# Altium PCB CORTEXM4.PcbDoc (part 2 of 2)
Units mm, origin at the board's own origin, x right, y up, seen from the top; angles counter-clockwise.
Board outline 93 x 93 mm, 4 copper layers (Top Layer, Internal Plane 1, Internal Plane 2, Bottom Layer); 157 components, 157 nets, 633 pads, 154 vias.
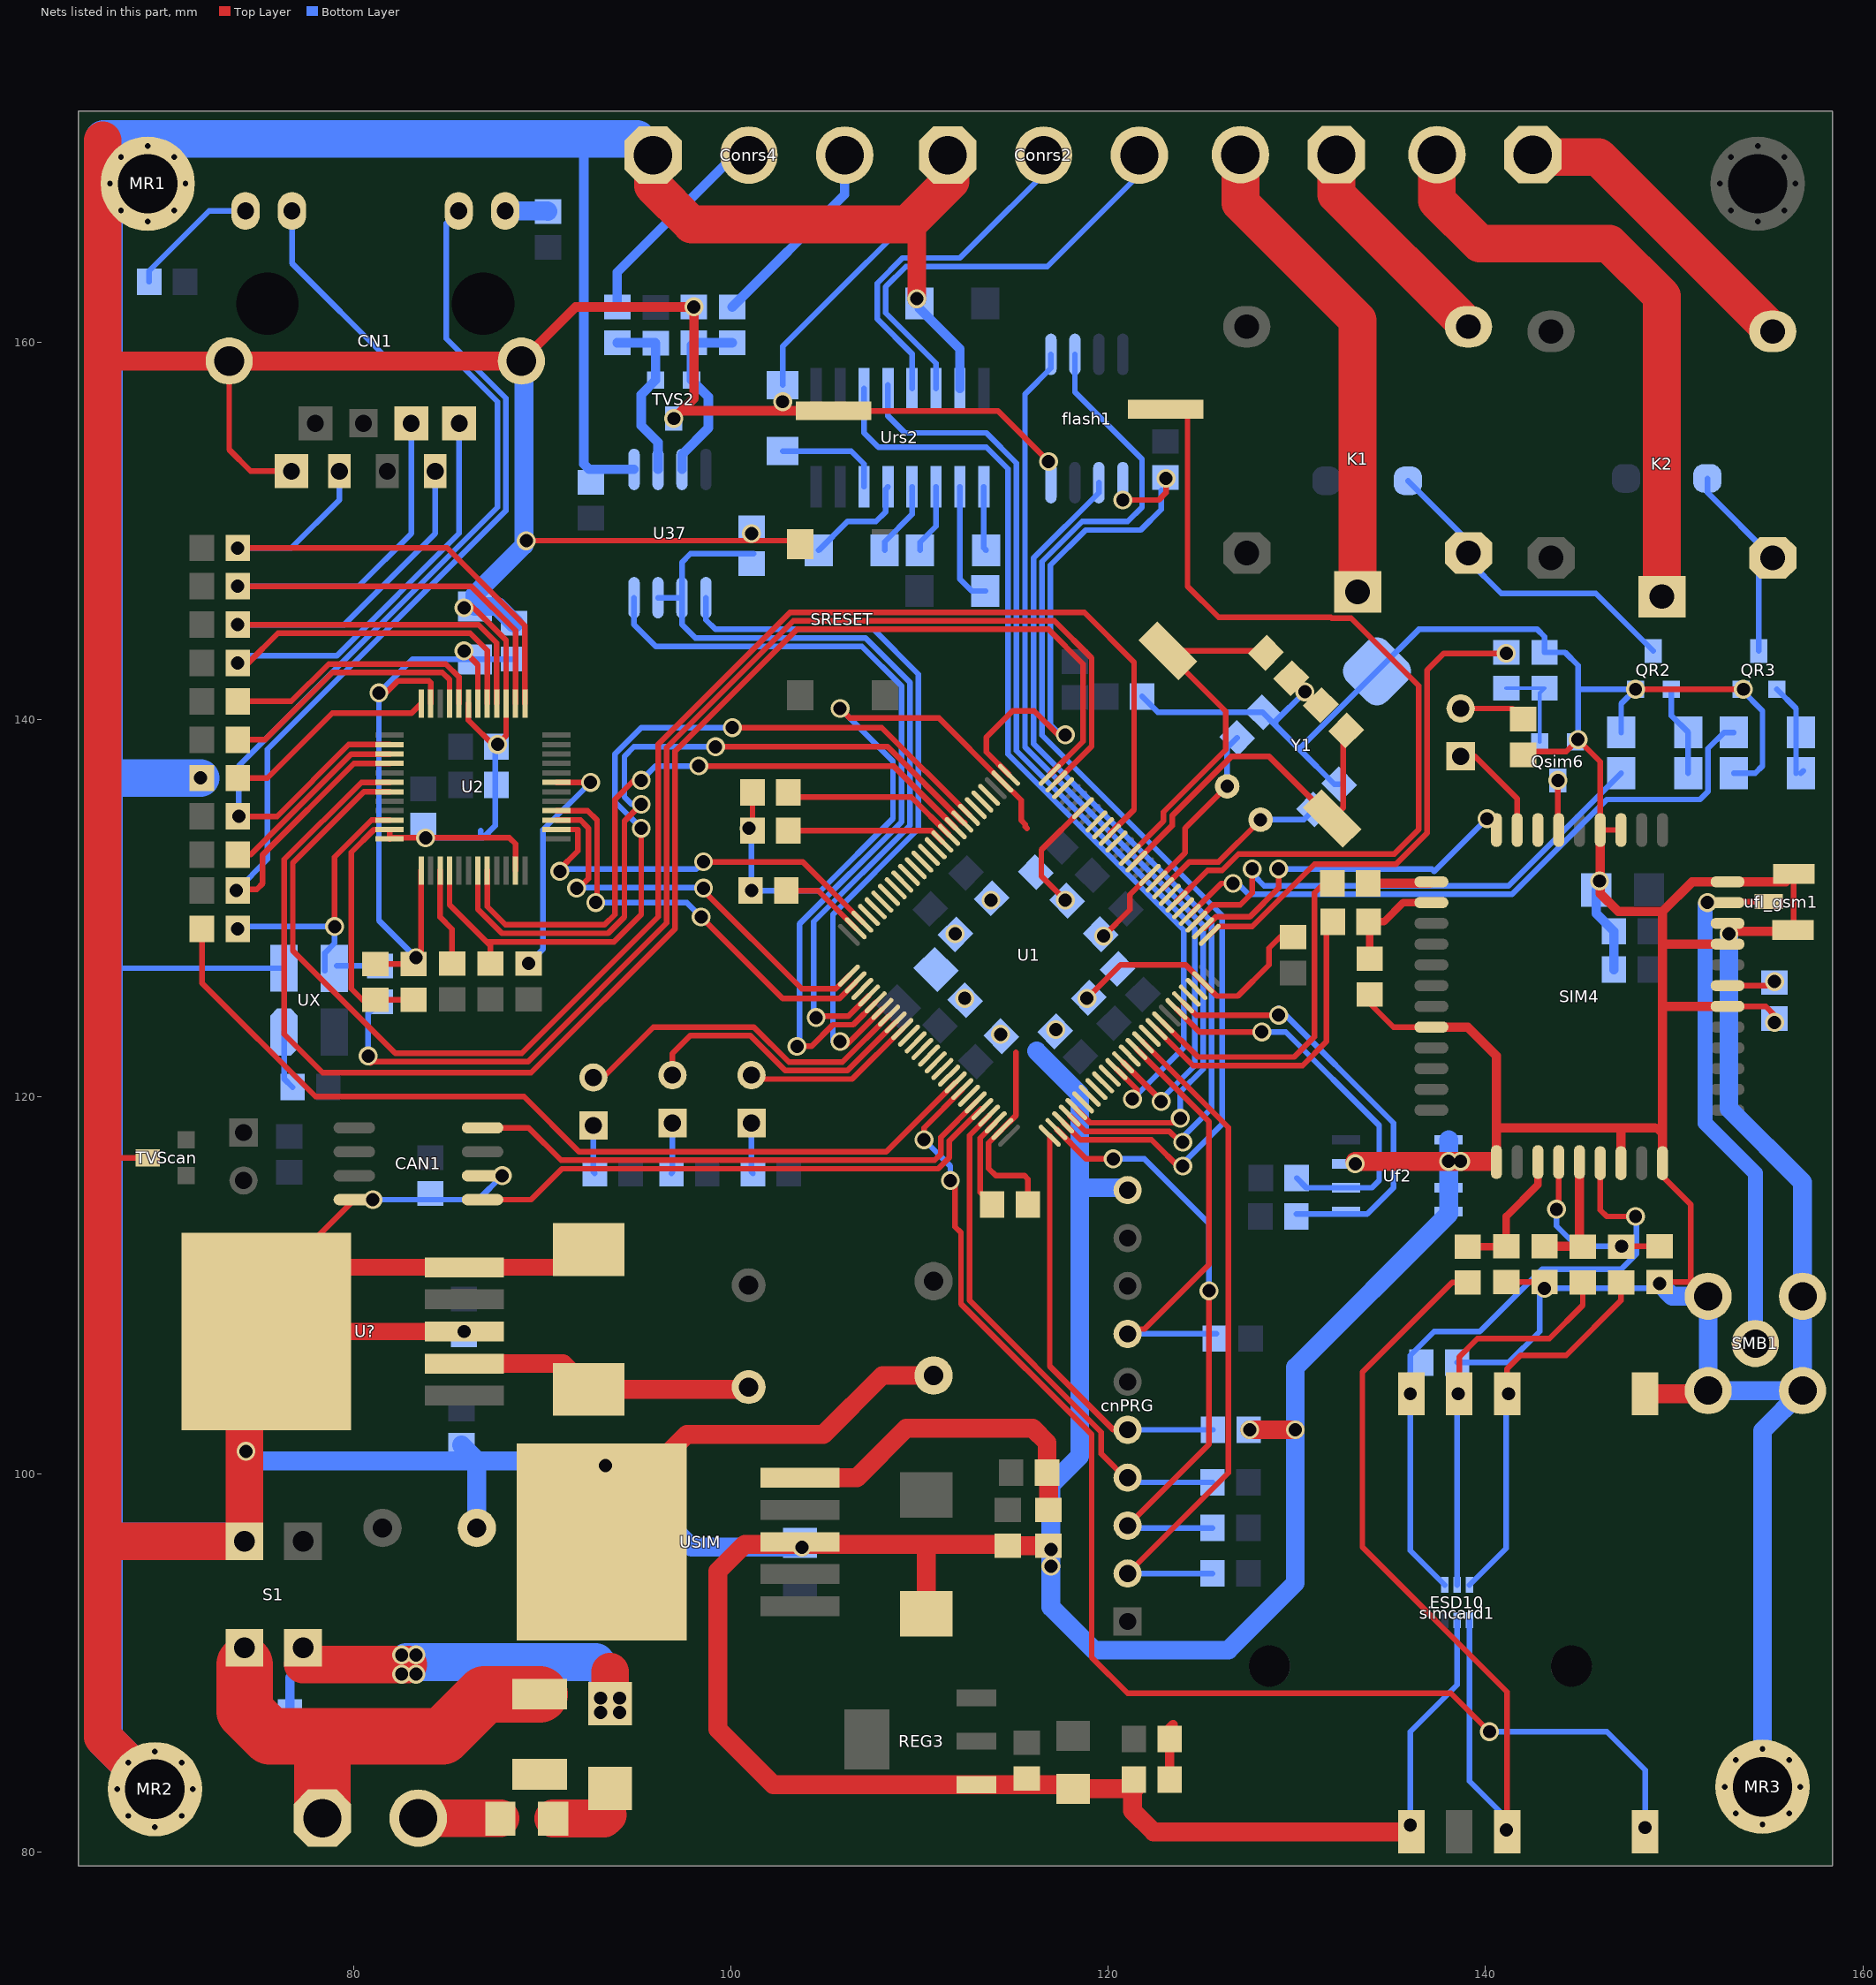
[diagram p4: the nets of this part, all layers, seen from the top]

## Via types
v1: diameter 1, hole 0.7, Top Layer to Bottom Layer, 154 vias

## Nets (pads, with @x,y where several pads share a name; then routed paths per layer and width w, separated by ;. In a path a pad name is that pad's centre, name@x,y a point inside that pad or via, vN(x,y) a via of type N, cw(c..) or ccw(c..) an arc to the next point about the centre after c; other vN are vias at no path point) (continued)
GND: batcon.2 C8.1 C9.2 C10.1 C11.1 C13.1 C21.2 C22.2 C23.2 C24.2 C25.2 C26.2 C27.2 C301.2 C303.2 C325.1 CAN1.2 CAN1.8 Capcan1.1 CB1.1 CB2.1 CB3.1 CB4.1 CB5.1 CB6.1 CB7.1 CB8.1 CN1.8 CN1.13 CN1.14 cnPRG.10 Conrs2.1 Conrs4.1 CP1.1 CP2.2 Cp3.2 Cp4.2 Cp5.1 Cp21.2 CPC1.2 CPC2.2 CPC3.2 CPC4.2 Crs4.1 Crs5.1 CRTC1.1 CSIM10.1 CSIM11.1 CSIM12.2 CSIM13.1 CVS1.1 CVS2.2 CVS3.- CVS4.1 CVS5.1 DP1.A ESD10.5 flash1.4 MR1.S MR2.S MR3.S QR2.2 QR3.2 Qsim6.2 R27.1 R144.1 R146.1 R321.1 R323.2 RBOOT.2 REG3.2 Rjump1.2 Rjump2.2 RON.1 RPRG5.2 Rsim3.1 Rsim5.1 RsimL.1 RVS2.1 S1.4 SIM4.8 SIM4.13 SIM4.19 SIM4.21 SIM4.27 SIM4.30 SIM4.31 SIM4.33 SIM4.36 SIM4.37 simcard1.C4 simcard1.C5 SMB1.2 SRESET.3 TVS2.3 TVScan.3 U1.10 U1.20 U1.27 U1.74 U1.99 U2.15 U2.19 U2.35 U2.36 U2.47 U37.5 U?.3 U?.5 U?.6 Uf2.1 Uf2.2 Uf2.3 Uf2.4 Uf2.7 ufl_gsm1.1 Urs2.15 USIM.3 USIM.6 UX.2 Y1.0 | length 1027.9
  Top Layer w0.3: 66.705,116.586 66.883,116.764 TVScan.3@69.088,116.764 ; 66.705,158.75 66.959,159.004 ; CN1.14@73.406,159.004 73.406,154.305 74.549,153.162 CN1.8@76.708,153.162 ; U?.6@75.375,109.89 CAN1.8@80.039,114.554 ; C21.2@83.181,125.15 C22.2@81.149,125.15 80.463,125.15 79.883,125.73 79.883,132.968 81.088,134.173 U2.35@81.912,134.173 U2.36@81.912,133.673 81.97,133.731 v1(83.82,133.731) 88.265,133.731 88.587,133.409 U2.47@88.587,131.998 ; U2.19@86.087,140.848 86.087,139.973 87.503,138.557 88.087,139.141 U2.15@88.087,140.848 88.087,144.197 86.804,145.48 86.803,145.48 v1@86.106,146.177 ; v1(89.154,149.479) 89.16,149.485 SRESET.3@103.632,149.485 ; Rjump2.2@101.147,134.116 Rjump1.2@101.147,136.148 ; batcon.2@105.435,156.362 114.148,156.362 v1(116.84,153.67) ; v1(105.791,140.589) 106.299,140.081 111.029,140.081 U1.27@114.392,136.718 115.385,135.725 115.385,134.666 115.608,134.443 115.608,134.328 115.697,134.239 ; 115.12,122.37 115.12,119.026 U1.74@114.392,118.298 113.665,117.571 113.665,116.205 114.046,115.824 115.57,115.824 115.747,115.647 C8.1@115.747,114.304 ; v1(117.729,130.429) 116.459,131.699 116.459,133.093 U1.20@118.67,135.304 ; v1(118.872,125.222) 120.65,127 124.11,127 U1.99@125.034,126.076 125.761,125.349 126.873,125.349 128.524,127 128.524,127.889 129.104,128.469 RBOOT.2@129.798,128.469 ; v1(119.761,128.524) 121.158,129.921 121.158,130.721 U1.10@122.206,131.768 ; CPC2.2@129.847,142.193 CPC2.2@129.709,142.193 v1(130.429,141.472) 131.138,140.763 CPC1.2@131.276,140.763 ; Rsim3.1@133.862,125.426 133.862,124.964 135.126,123.7 SIM4.8@137.132,123.7 ; 140.583,118.104 140.843,118.364 ; CSIM13.1@141.101,110.186 CSIM10.1@143.133,110.186 ; RsimL.1@141.99,138.126 142.167,138.303 144.272,138.303 v1(144.907,138.938) 146.083,137.762 SIM4.37@146.083,134.148 SIM4.36@147.183,134.148 ; 147.183,118.354 147.193,118.364 ; v1(147.955,141.605) v1(153.67,141.605) ; 148.971,118.364 149.383,117.952 ; CSIM11.1@149.229,110.186 150.876,110.186 150.876,114.3 149.383,115.793 SIM4.21@149.383,116.492 ; 149.383,124.714 149.469,124.8 ; 149.383,128.143 149.426,128.1 ; SIM4.27@152.832,124.8 154.854,124.8 155.321,124.333 v1(155.321,123.952) ; ufl_gsm1.1@156.337,128.88 ufl_gsm1.1@156.337,131.826
  Top Layer w0.5: CN1.13@88.9,159.004 91.766,161.87 v1(98.04,161.87) 98.04,157.019 97.384,156.362 ; v1(96.977,155.956) 97.384,156.362 ; batcon.2@105.435,156.362 97.384,156.362 ; SIM4.8@137.132,123.7 139.063,123.7 140.583,122.18 140.583,118.104 SIM4.13@140.583,116.548 ; 140.843,118.364 147.193,118.364 148.971,118.364 ; SIM4.37@146.083,134.148 146.083,130.777 147.035,129.825 149.383,129.825 ; SIM4.19@147.183,116.492 147.183,118.354 ; SIM4.21@149.383,116.492 149.383,117.952 149.383,124.714 149.383,128.143 149.383,129.825 ; 149.426,128.1 SIM4.30@152.832,128.1 v1@152.832,128.778 ; 149.469,124.8 SIM4.27@152.832,124.8 ; SIM4.31@152.832,129.2 v1@152.832,128.778 ; ufl_gsm1.1@156.312,128.854 156.235,128.778 v1@152.832,128.778 ; ufl_gsm1.1@156.337,131.826 155.911,131.4 SIM4.33@152.832,131.4 150.958,131.4 149.383,129.825
  Top Layer w0.9: U?.3@85.875,107.569 v1(85.852,107.569) 76.899,107.569 U?.6@75.375,107.569 78.775,110.969 U?.5@85.875,110.969 91.521,110.969 DP1.A@92.456,111.904
  Top Layer w1: 66.959,159.004 CN1.14@73.406,159.004 CN1.13@88.9,159.004 ; U?.6@75.502,106.172 76.899,107.569 U?.6@78.902,109.572 ; USIM.6@95.19,96.413 USIM.6@96.059,97.282 ; USIM.6@95.297,97.282 95.297,99.742 97.663,102.108 104.902,102.108 108.03,105.236 Cp21.2@110.744,105.236 Cp21.2@110.744,104.902 ; 109.347,166.243 109.855,165.735 v1(109.855,162.306) ; CVS3.-@110.363,92.608 110.363,96.159 110.49,96.286 ; CVS1.1@114.681,96.216 RVS2.1@116.84,96.216 ; CVS1.1@114.681,96.286 110.49,96.286 ; RON.1@121.285,83.82 121.285,82.169 122.403,81.051 simcard1.C5@135.763,81.051 ; RON.1@121.412,83.334 C303.2@118.143,83.334 117.925,83.552 REG3.2@113.009,83.552 102.249,83.552 99.314,86.487 99.314,94.869 100.731,96.286 110.49,96.286 ; v1(127.508,102.362) v1(129.921,102.362) ; v1@133.096,116.586 v1(138.049,116.586) v1(138.684,116.586) 140.208,116.586 ; simcard1.C4@148.463,104.267 151.638,104.267 SMB1.2@151.805,104.434
  Top Layer w2: 66.705,170.688 66.705,158.75 66.705,116.586 66.705,96.617 ; MR2.S@69.469,83.312 MR2.S@68.055,84.726 66.705,86.076 66.705,96.617 ; U?.6@75.502,106.172 74.219,104.889 S1.4@74.219,96.444 66.878,96.444 66.705,96.617 ; Conrs4.1@95.872,169.913 95.872,168.288 97.917,166.243 109.347,166.243 111.633,168.529 Conrs2.1@111.633,169.037
  Bottom Layer w0.3: 67.767,126.822 UX.2@76.314,126.822 ; v1(81.026,114.554) 86.614,114.554 v1(87.884,115.824) ; v1(83.82,133.731) 86.741,133.731 ; 86.741,134.112 86.741,133.731 ; C24.2@87.575,138.561 87.503,138.489 87.503,134.366 86.868,133.731 86.741,133.731 ; v1(100.965,134.239) 101.092,134.112 v1(101.092,130.937) 104.771,130.937 108.594,134.76 108.594,137.786 v1(105.791,140.589) ; Crs5.1@102.743,157.726 102.743,159.766 111.76,168.783 111.76,169.164 Conrs2.1@112.509,169.913 ; C13.1@121.793,141.224 122.635,140.382 CPC4.2@128.185,140.382 128.867,139.7 ; v1(130.429,141.472) 128.867,139.91 128.867,139.7 ; CPC3.2@132.249,136.572 131.995,136.572 130.156,138.411 ; v1@136.017,81.153 136.017,86.36 138.499,88.842 ESD10.5@138.499,92.263 ; CSIM12.2@138.502,105.922 141.228,105.922 142.875,107.569 142.875,109.601 v1(143.129,109.855) 148.971,109.855 v1(149.225,110.109) ; v1(144.907,138.938) 144.907,141.732 ; R144.1@147.193,139.319 147.193,140.843 v1(147.955,141.605) 145.034,141.605 144.907,141.732 ; R146.1@153.162,137.16 154.305,137.16 154.686,137.541 154.686,140.335 ; QR3.2@153.543,141.605 154.686,140.462 ; 128.867,139.7 130.156,138.411 ; 130.156,138.411 130.156,138.467 Y1.0@134.248,142.559 136.469,144.78 142.748,144.78 143.133,144.395 Rsim5.1@143.133,143.56 144.222,143.56 144.907,142.875 144.907,141.732
  Bottom Layer w0.5: 92.202,170.775 92.202,153.543 92.485,153.26 U37.5@94.869,153.26 ; Crs4.1@109.982,161.798 112.141,159.639 Urs2.15@112.141,157.54 ; CVS2.2@145.868,130.966 145.868,129.722 CVS4.1@146.812,128.778 CVS5.1@146.812,126.746
  Bottom Layer w1: v1(74.295,101.219) 74.803,100.711 86.534,100.711 ; Cp5.1@85.721,101.55 86.534,100.737 86.534,100.711 ; Cp3.2@86.534,97.155 86.534,100.711 ; C23.2@88.515,145.106 87.629,145.992 C27.2@86.429,145.992 86.429,146.627 89.027,149.225 89.027,158.857 CN1.13@88.88,159.004 ; v1(103.759,96.139) 97.917,96.139 93.345,100.711 86.534,100.711 ; 116.205,122.428 118.491,120.142 118.491,115.189 ; cnPRG.10@121.031,115.062 120.904,115.189 118.491,115.189 ; Uf2.1@138.049,117.729 v1(138.049,116.586) Uf2.2@138.049,116.459 Uf2.3@138.049,115.189 Uf2.4@138.049,113.919 138.049,113.792 129.921,105.664 129.921,94.234 126.365,90.678 119.253,90.678 116.967,92.964 v1(116.967,95.123) v1(116.967,96.012) 116.967,99.441 118.491,100.965 118.491,115.189 ; v1(149.225,110.109) 149.9,109.434 SMB1.2@151.805,109.434 ; SMB1.2@152.106,109.434 SMB1.2@151.805,109.434 ; v1(152.908,128.651) 152.908,119.38 156.805,115.483 SMB1.2@156.805,109.434 SMB1.2@156.805,104.434 ; MR3.S@154.686,83.439 MR3.S@154.686,85.439 154.686,102.315 SMB1.2@156.805,104.434 ; SMB1.2@151.805,109.434 SMB1.2@151.805,104.434 SMB1.2@156.805,104.434
  Bottom Layer w2: MR2.S@69.469,83.312 MR2.S@68.055,84.726 66.756,86.025 66.756,96.444 ; v1(71.882,136.906) 66.883,136.906 66.756,137.033 ; S1.4@74.219,96.444 66.756,96.444 ; Conrs4.1@95.011,170.775 92.202,170.775 66.756,170.775 66.756,137.033 ; 66.756,96.444 66.756,137.033
  other v1: 136.017,81.407 93.345,100.457 133.096,116.459 114.3,123.317 117.221,123.571 112.395,125.222 111.887,128.651 113.792,130.429 146.05,131.445 87.63,138.684 85.852,145.923 101.092,149.86 102.743,156.845
GND1: Coni.1 Cpin.2 S1.2 tvs.2 | length 27
  Top Layer w2: 79.807,86.436 80.137,86.106
  Top Layer w3: S1.2@74.219,89.916 74.219,87.452 75.565,86.106 80.137,86.106 84.709,86.106 86.944,88.341 tvs.2@89.865,88.341 ; Coni.1@78.346,81.775 78.346,85.966
  Bottom Layer w0.5: S1.2@74.219,89.916 74.219,87.884 Cpin.2@74.731,87.372
GSM_ANT: SIM4.32 SMB1.1 ufl_gsm1.2 | length 26.7
  Top Layer w0.3: SIM4.32@152.832,130.3 152.885,130.353 ufl_gsm1.2@155.016,130.353
  Bottom Layer w0.8: v1(151.765,130.302) 151.638,130.175 151.638,118.618 154.305,115.951 SMB1.1@154.305,106.934
IN: 1N4007.2 Cpin.1 S1.1 | length 22.6
  Top Layer w2: S1.1@77.318,89.916 82.906,89.916 ; 1N4007.2@93.599,87.848 93.599,89.535
  Bottom Layer w0.5: Cpin.1@76.631,87.372 76.631,89.229 S1.1@77.318,89.916
  Bottom Layer w2: v1@82.804,90.043 92.837,90.043 93.599,89.281 93.599,87.884
  other v1: 93.091,87.376 94.107,87.376 93.091,88.138 94.107,88.138 82.55,89.408 83.312,89.408 82.55,90.424 83.312,90.424
Net1N4007_1: 1N4007.1 F1.1 tvs.1 | length 3
  Top Layer w2: F1.1@90.579,81.755 93.276,81.755 93.472,81.951
NetC21_1: C21.1 C22.1 C23.1 C27.1 U2.18 U2.23 U2.37 | length 37
  Top Layer w0.3: C22.1@81.149,127.05 C21.1@83.181,127.05 83.587,127.456 U2.37@83.587,131.998 ; v1@81.534,141.224 82.354,142.044 83.993,142.044 84.087,141.95 U2.23@84.087,140.848 ; v1(85.852,143.637) 86.587,142.902 U2.18@86.587,140.848
  Bottom Layer w0.3: v1(83.312,127.381) 81.343,129.35 v1(81.343,141.415) 83.121,143.192 C27.1@86.429,143.192 86.443,143.206 C23.1@88.515,143.206
NetCN1_9: CN1.9 R200.1 | length 2.3
  Bottom Layer w1: CN1.9@88.036,166.954 90.275,166.954 R200.1@90.301,166.928
NetCN1_10: CN1.10 R26.2 U2.28 | length 55.3
  Top Layer w0.3: R26.2@73.794,130.998 74.864,130.998 75.184,131.318 75.184,132.839 80.018,137.673 U2.28@81.912,137.673
  Bottom Layer w0.3: v1(73.787,130.937) 75.438,132.588 75.438,138.429 88.08,151.071 88.08,157.031 84.917,160.194 84.917,166.3 CN1.10@85.571,166.954
NetCN1_11: CN1.11 R24.2 U2.26 | length 54
  Top Layer w0.3: R24.2@73.859,134.87 75.942,134.87 79.745,138.673 U2.26@81.912,138.673
  Bottom Layer w0.3: v1(73.914,134.874) 73.914,137.541 87.63,151.257 87.63,156.845 85.471,159.004 81.915,159.004 76.735,164.184 CN1.11@76.735,166.954
NetCN1_12: CN1.12 R21.1 | length 7
  Bottom Layer w0.3: R21.1@69.165,163.199 69.165,163.78 72.339,166.954 CN1.12@74.27,166.954
NetConR1_1: ConR1.1 K2.3 | length 16.5
  Top Layer w2: ConR1.1@142.507,169.812 145.983,169.812 K2.3@155.227,160.568
NetConR1_2: ConR1.2 K2.1 | length 32.3
  Top Layer w2: ConR1.2@137.427,169.812 137.427,167.5 139.7,165.227 146.558,165.227 149.352,162.433 K2.1@149.352,146.518
NetConR2_1: ConR2.1 K1.3 | length 11.9
  Top Layer w2: ConR2.1@132.093,169.812 132.093,167.827 K1.3@139.098,160.822
NetConR2_2: ConR2.2 K1.1 | length 25.6
  Top Layer w2: ConR2.2@127.013,169.812 127.013,167.373 133.223,161.163 K1.1@133.223,146.772
NetConrs2_2: Conrs2.2 Urs2.13 | length 19
  Bottom Layer w0.3: Urs2.13@109.601,157.54 109.601,159.385 107.754,161.232 107.754,163.126 109.093,164.465 112.141,164.465 Conrs2.2@117.589,169.913
NetConrs2_3: Conrs2.3 Urs2.14 | length 23.9
  Bottom Layer w0.3: Urs2.14@110.871,157.54 110.871,158.877 108.204,161.544 108.204,162.94 109.279,164.015 116.771,164.015 Conrs2.3@122.669,169.913
NetConrs4_2: Conrs4.2 F31.2 | length 11.4
  Bottom Layer w0.5: F31.2@93.976,161.87 93.976,163.699 100.19,169.913 Conrs4.2@100.952,169.913
NetConrs4_3: Conrs4.3 F32.2 | length 10.5
  Bottom Layer w0.5: F32.2@100.072,161.87 106.032,167.83 Conrs4.3@106.032,169.913
NetCPC1_1: CPC1.1 U1.12 Y2.2 | length 18.6
  Top Layer w0.32: U1.12@121.499,132.475 123.396,134.373 123.396,134.903 126.542,138.049 128.524,138.049 Y2.2@131.318,135.255 ; Y2.2@131.871,134.754 132.461,135.344 132.461,139.261 CPC1.1@132.62,139.42
NetCPC2_1: CPC2.1 U1.13 Y2.1 | length 19.2
  Top Layer w0.3: U1.13@121.145,132.829 122.936,134.62 122.936,135.094 126.238,138.396 126.238,140.428 Y2.1@123.218,143.448 ; Y2.1@123.16,143.645 128.256,143.645 CPC2.1@128.365,143.536
NetCPC3_1: CPC3.1 U1.8 Y1.2 | length 9.8
  Top Layer w0.3: U1.8@122.913,131.061 124.313,132.461 125.857,132.461 127.962,134.566 Y1.2@128.205,134.566
  Bottom Layer w0.3: Y1.2@128.078,134.693 130.369,134.693 CPC3.1@130.905,135.229
NetCPC4_1: CPC4.1 U1.9 Y1.1 | length 9.5
  Top Layer w0.3: U1.9@122.559,131.415 124.079,132.935 124.079,134.239 126.173,136.333 Y1.1@126.438,136.333
  Bottom Layer w0.3: Y1.1@126.311,136.46 126.311,138.508 CPC4.1@126.841,139.039
NetCPU_LED1_1: CPU_LED1.1 RLED1.1 | length 2.7
  Bottom Layer w0.3: RLED1.1@96.851,115.955 96.901,116.005 CPU_LED1.1@96.901,118.618
NetCPU_LED2_1: CPU_LED2.1 RLED2.1 | length 2.7
  Bottom Layer w0.3: CPU_LED2.1@101.092,118.618 101.092,116.032 RLED2.1@101.169,115.955
NetCPU_LED3_1: CPU_LED3.1 RLED3.1 | length 2.6
  Bottom Layer w0.3: CPU_LED3.1@92.71,118.491 92.71,116.032 RLED3.1@92.787,115.955
NetCrs1_1: Crs1.1 Urs2.5 | length 5.8
  Bottom Layer w0.3: Crs1.1@104.656,148.971 106.18,150.495 107.696,150.495 108.204,151.003 108.204,152.213 Urs2.5@108.331,152.34
NetCrs1_2: Crs1.2 Urs2.4 | length 4
  Bottom Layer w0.3: Crs1.2@108.156,148.971 108.156,149.431 109.601,150.876 Urs2.4@109.601,152.34
NetCrs2_1: Crs2.1 Urs2.1 | length 3.4
  Bottom Layer w0.3: Urs2.1@113.411,152.34 113.411,149.09 Crs2.1@113.53,148.971
NetCrs2_2: Crs2.2 Urs2.3 | length 3.7
  Bottom Layer w0.3: Crs2.2@110.03,148.971 110.03,149.4 110.871,150.241 Urs2.3@110.871,152.34
NetCrs3_2: Crs3.2 Urs2.2 | length 6.5
  Bottom Layer w0.3: Urs2.2@112.141,152.34 112.141,147.447 112.776,146.812 Crs3.2@113.49,146.812
NetCrs5_2: Crs5.2 Urs2.6 | length 5.8
  Bottom Layer w0.3: Crs5.2@102.743,154.226 106.378,154.226 107.061,153.543 Urs2.6@107.061,152.34
NetD19_1: D19.1 K1.5 QR2.3 | length 17.3
  Bottom Layer w0.3: D19.1@135.89,152.654 139.098,149.446 K1.5@139.098,148.822 139.098,148.43 140.843,146.685 145.847,146.685 QR2.3@148.895,143.637
NetD20_1: D20.1 K2.5 QR3.3 | length 10.9
  Bottom Layer w0.3: D20.1@151.765,152.781 151.765,152.03 K2.5@155.227,148.568 154.483,147.824 QR3.3@154.483,143.637
NetDON_2: DON.2 RON.2 | length 3
  Top Layer w0.5: RON.2@123.262,83.816 DON.2@123.262,85.975 123.262,86.559 123.444,86.741
NetDP1_K: DP1.K Lp1.1 U?.2 | length 15.7
  Top Layer w1: U?.2@85.875,105.869 91.091,105.869 DP1.K@92.456,104.504 100.821,104.504 Lp1.1@100.94,104.623
NetESD10_2: ESD10.2 RSIM10.2 simcard1.C2 | length 21
  Top Layer w0.3: simcard1.C2@138.608,104.267 138.608,106.223 139.573,107.188 143.383,107.188 145.157,108.962 RSIM10.2@145.157,110.164
  Bottom Layer w0.3: ESD10.2@138.499,94.136 138.499,104.209 v1(138.557,104.267)
NetESD10_3: ESD10.3 RSIM11.2 simcard1.C3 | length 20.8
  Top Layer w0.3: simcard1.C3@141.148,104.267 141.148,105.588 141.859,106.299 144.272,106.299 147.189,109.216 RSIM11.2@147.189,110.164
  Bottom Layer w0.3: ESD10.3@139.153,94.136 141.097,96.08 141.097,104.14 v1(141.224,104.267)
NetESD10_4: ESD10.4 RSIM13.2 simcard1.C7 | length 47
  Top Layer w0.3: RSIM13.2@139.061,110.164 138.231,110.164 133.477,105.41 133.477,96.139 141.148,88.468 simcard1.C7@141.148,81.051
  Bottom Layer w0.3: ESD10.4@139.153,92.264 139.153,83.732 141.097,81.788 v1(141.097,81.153)
NetF31_1: F31.1 R322.2 TVS2.1 U37.6 | length 9.4
  Bottom Layer w0.5: F31.1@93.976,159.97 95.986,159.97 96.012,159.944 TVS2.1@96.012,157.988 95.25,157.226 95.25,155.575 96.139,154.686 U37.6@96.139,153.26
NetF32_1: F32.1 R323.1 TVS2.2 U37.7 | length 9.6
  Bottom Layer w0.5: U37.7@97.409,153.26 97.409,154.051 98.806,155.448 98.806,157.099 TVS2.2@98.044,157.861 ; TVS2.2@97.917,157.988 97.917,159.847 R323.1@98.04,159.97 F32.1@100.072,159.97
NetQR2_2: QR2.1 R143.1 R144.2 | length 4.8
  Bottom Layer w0.3: QR2.1@149.86,141.605 149.86,140.208 R144.2@150.749,139.319 R143.1@150.749,137.16
NetQR3_2: QR3.1 R145.1 R146.2 | length 5
  Bottom Layer w0.3: QR3.1@155.448,141.605 156.464,140.589 R146.2@156.464,137.16 ; R146.2@156.718,137.16 R146.2@156.845,137.287
NetQsim6_2: Qsim6.1 Rsim4.2 Rsim5.2 | length 5
  Bottom Layer w0.2: Rsim4.2@141.101,141.66 Rsim5.2@143.133,141.66 142.875,141.402 Qsim6.1@142.875,138.811
NetQsim6_3: Qsim6.3 SIM4.39 | length 2.6
  Top Layer w0.3: v1(143.84,136.779) 143.84,134.19 SIM4.39@143.883,134.148
NetR22_2: R22.2 U2.20 | length 14.2
  Top Layer w0.3: R22.2@73.859,140.966 76.703,140.966 78.681,142.944 84.895,142.944 85.587,142.252 U2.20@85.587,140.848
NetR23_2: R23.2 U2.21 | length 14.1
  Top Layer w0.3: R23.2@73.859,138.934 75.307,138.934 78.867,142.494 84.709,142.494 85.087,142.116 U2.21@85.087,140.848
NetR25_2: R25.2 U2.27 | length 10.3
  Top Layer w0.3: R25.2@73.859,132.838 74.546,132.838 79.881,138.173 U2.27@81.912,138.173
NetR27_2: R27.2 U2.24 | length 11.4
  Top Layer w0.3: R27.2@73.859,136.902 75.434,136.902 78.867,140.335 83.074,140.335 U2.24@83.587,140.848
NetR32_2: R32.2 U2.39 | length 5.2
  Top Layer w0.3: U2.39@84.587,131.998 84.587,129.535 85.221,128.901 R32.2@85.221,127.072
NetR34_2: R34.2 U2.7 | length 12.8
  Top Layer w0.3: U2.7@90.762,136.673 v1(92.562,136.673)
  Bottom Layer w0.3: v1(89.285,127.072) 90.043,127.83 90.043,134.154 v1(92.562,136.673)
NetR35_2: R35.2 UX.1 | length 3.1
  Bottom Layer w0.3: UX.1@76.314,123.431 76.314,120.968 R35.2@76.763,120.519
NetR36_2: R36.2 R37.2 U2.34 UX.3 | length 17.5
  Top Layer w0.3: v1(78.994,129.032) 78.994,132.715 80.952,134.673 U2.34@81.912,134.673
  Bottom Layer w0.3: v1(73.859,128.901) 73.99,129.032 v1(78.994,129.032) 78.994,128.143 78.473,127.622 UX.3@78.473,126.682 ; UX.3@79.117,126.945 R37.2@81.403,126.945
NetRsimL_2: RsimL.2 SIM_LED.2 | length 3.5
  Top Layer w0.3: SIM_LED.2@138.684,140.589 141.427,140.589 RsimL.2@141.99,140.026
NetRVS1_1: RVS1.1 RVS2.2 USIM.5 | length 18.8
  Top Layer w1: USIM.5@102.997,99.822 106.68,99.822 109.297,102.439 116.001,102.439 116.759,101.681 RVS1.1@116.759,100.08 116.84,99.999 RVS2.2@116.84,98.116
NetSIM4_41: SIM4.41 SIM_LED.1 | length 5.6
  Top Layer w0.3: SIM_LED.1@138.684,138.049 139.446,138.049 141.683,135.812 SIM4.41@141.683,134.148
PA0: U1.23
PA1: R37.1 U1.24 | length 64.6
  Top Layer w0.3: v1@80.899,121.793 80.968,121.862 89.243,121.862 96.598,129.217 96.598,138.508 103.32,145.23 117.152,145.23 119.126,143.256 119.126,138.588 U1.24@117.256,136.718
  Bottom Layer w0.3: v1(80.772,122.174) 80.772,124.414 R37.1@81.403,125.045
PA2: U1.25 U2.30 | length 82.3
  Top Layer w0.3: U2.30@81.912,136.673 80.412,136.673 76.327,132.588 76.327,123.318 78.365,121.28 89.406,121.28 97.048,128.922 97.048,138.322 103.506,144.78 116.84,144.78 118.676,142.944 118.676,138.845 U1.25@116.902,137.072
PA3: flash1.1 Rflash1.2 U1.26 | length 28.6
  Top Layer w0.3: U1.26@114.746,137.072 113.538,138.279 113.538,139.065 114.935,140.462 116.078,140.462 117.348,139.192 v1(117.729,139.192) ; v1(120.777,151.638) 122.682,151.638 123.063,152.019 v1(123.063,152.781)
  Bottom Layer w0.3: v1(117.729,139.192) 117.475,139.192 116.94,139.727 116.94,148.179 118.806,150.045 121.725,150.045 122.809,151.129 122.809,152.146
PA4: U1.29
PA5: U1.30
PA6: U1.31
PA7: R33.2 U1.32 U2.40 | length 45
  Top Layer w0.3: U2.40@85.087,131.998 85.087,130.178 86.995,128.27 ; R33.2@87.253,127.072 87.253,128.012 86.995,128.27 ; v1(95.25,134.239) 95.25,129.67 93.801,128.221 87.044,128.221 86.995,128.27 ; v1(100.076,139.573) 108.002,139.573 U1.32@112.624,134.95
  Bottom Layer w0.3: v1(95.25,134.239) 93.853,135.636 93.853,138.177 95.249,139.573 v1(100.076,139.573)
PA8: R36.1 U1.67 | length 48.1
  Top Layer w0.3: R36.1@71.959,128.901 71.959,126.034 77.978,120.015 89.027,120.015 91.948,117.094 108.238,117.094 U1.67@111.917,120.773
PA9: simcard1.C8 U1.68 | length 69.5
  Top Layer w0.3: v1(110.236,117.729) 110.236,118.364 U1.68@112.268,120.396 ; v1(111.633,115.57) 111.887,115.316 111.887,113.118 112.199,112.806 112.199,109.034 119.126,102.107 119.126,90.297 121.031,88.392 138.176,88.392 v1(140.208,86.36)
  Bottom Layer w0.3: v1(110.236,117.729) 111.633,116.332 v1(111.633,115.57) ; v1(140.208,86.36) 146.431,86.36 148.463,84.328 v1(148.463,81.28)
PA10: U1.69
PA11: CAN1.4 U1.70 | length 28.6
  Top Layer w0.3: CAN1.4@86.839,118.364 89.281,118.364 91.001,116.644 110.802,116.644 111.125,116.967 111.125,117.859 U1.70@112.978,119.712
PA12: CAN1.1 U1.71 | length 29
  Top Layer w0.3: CAN1.1@86.839,114.554 89.408,114.554 91.048,116.194 110.988,116.194 111.575,116.781 111.575,117.673 113.261,119.359 U1.71@113.331,119.359
PA13: cnPRG.4 RPRG3.2 U1.72 | length 28
  Top Layer w0.3: U1.72@113.685,119.005 112.649,117.969 112.649,109.22 119.634,102.235 119.634,101.092 cnPRG.4@121.158,99.568
  Bottom Layer w0.3: cnPRG.4@121.031,99.822 121.281,99.572 RPRG3.2@125.531,99.572
PA14: cnPRG.5 RPRG5.1 U1.76 | length 22.3
  Top Layer w0.3: U1.76@116.902,117.944 116.902,105.729 120.269,102.362 cnPRG.5@121.031,102.362
  Bottom Layer w0.3: cnPRG.5@121.031,102.362 121.035,102.358 RPRG5.1@125.553,102.358
PA15: cnPRG.3 RPRG2.2 U1.77 | length 32.5
  Top Layer w0.3: U1.77@117.256,118.298 118.841,116.713 v1(120.269,116.713) ; cnPRG.3@121.031,97.282 125.349,101.6 v1(125.349,109.728)
  Bottom Layer w0.3: v1(120.269,116.713) 121.92,116.713 125.349,113.284 v1(125.349,109.728) ; cnPRG.3@121.031,97.282 121.154,97.159 RPRG2.2@125.531,97.159
PB0: Rjump1.1 U1.35 | length 9.5
  Top Layer w0.3: Rjump1.1@103.047,136.148 103.305,135.89 109.563,135.89 U1.35@111.564,133.89
PB1: Rjump2.1 U1.36 | length 8.4
  Top Layer w0.3: Rjump2.1@103.047,134.116 110.63,134.116 U1.36@111.21,133.536
PB2: U1.37
PB4: cnPRG.2 RPRG1.2 U1.90 | length 36.7
  Top Layer w0.3: cnPRG.2@121.031,94.742 126.365,100.076 126.365,118.381 U1.90@121.852,122.894
  Bottom Layer w0.3: cnPRG.2@121.031,94.742 121.035,94.746 RPRG1.2@125.531,94.746
PB5: U1.91
PB6: Rsim2.1 U1.92 | length 16.3
  Top Layer w0.3: U1.92@122.559,123.601 124.494,121.666 130.302,121.666 131.572,122.936 Rsim2.1@131.572,128.897
PB7: Rsim1.2 U1.93 | length 18
  Top Layer w0.3: U1.93@122.913,123.955 124.752,122.116 129.863,122.116 130.937,123.19 130.937,130.81 131.449,131.322 Rsim1.2@131.881,131.322
PB8: Rf1.2 U1.95 Uf2.6 | length 21
  Top Layer w0.3: U1.95@123.62,124.662 124.838,123.444 v1(128.143,123.444)
  Bottom Layer w0.3: v1(128.143,123.444) 129.413,123.444 134.366,118.491 134.366,115.57 133.985,115.189 130.505,115.189 Rf1.2@129.993,115.701
PB9: Rf3.1 U1.96 Uf2.5 | length 23.5
  Top Layer w0.3: U1.96@123.973,125.015 124.656,124.333 v1(129.032,124.333)
  Bottom Layer w0.3: v1(129.032,124.333) 129.032,124.714 135.128,118.618 135.128,115.189 133.731,113.792 Rf3.1@129.971,113.792
PB10: U1.47
PB11: U1.48 U2.2 | length 21.3
  Top Layer w0.3: U2.2@90.762,134.173 91.887,134.173 91.887,133.035 v1@90.868,132.017 ; v1(98.552,132.461) 103.8,132.461 U1.48@106.967,129.293
  Bottom Layer w0.3: v1(90.932,131.953) 91.059,132.08 98.171,132.08 v1(98.552,132.461)
PB12: U1.51 U2.3 | length 22
  Top Layer w0.3: U2.3@90.762,134.673 92.023,134.673 92.337,134.359 92.337,134.358 92.456,134.239 92.456,131.572 v1@91.948,131.064 ; v1(98.552,131.064) 98.552,130.937 103.759,125.73 105.561,125.73 U1.51@106.26,126.43
  Bottom Layer w0.3: v1(91.821,131.064) 91.859,131.102 v1@98.298,131.102
PB13: U1.52 U2.4 | length 23.2
  Top Layer w0.3: U2.4@90.762,135.173 92.411,135.173 92.906,134.678 92.906,130.498 92.71,130.302 v1(92.837,130.302) ; v1(98.425,129.54) 102.743,125.222 105.76,125.222 U1.52@106.614,126.076
  Bottom Layer w0.3: v1(92.837,130.302) 97.663,130.302 v1(98.425,129.54)
PB14: U1.53
PB15: R321.2 U1.54 U37.2 U37.3 | length 44.9
  Top Layer w0.3: v1(104.521,124.206) 104.59,124.275 106.227,124.275 U1.54@107.321,125.369
  Bottom Layer w0.3: U37.3@96.139,146.46 U37.2@97.409,146.46 ; R321.2@101.215,148.789 97.862,148.789 97.409,148.336 U37.2@97.409,146.46 ; v1@104.394,124.333 104.394,129.287 109.494,134.387 109.494,141.966 107.13,144.33 98.113,144.33 97.409,145.034 U37.2@97.409,146.46
PC0: U1.15
PC1: U1.16 U2.31 | length 84
  Top Layer w0.3: U2.31@81.912,136.173 80.548,136.173 76.777,132.402 76.777,127.748 82.213,122.312 88.911,122.312 96.148,129.549 96.148,138.694 103.134,145.68 118.734,145.68 121.374,143.04 121.374,135.229 120.084,133.939 U1.16@120.084,133.89
PC2: U1.17
PC3: U1.18
PC4: U1.33 U2.43 | length 40.2
  Top Layer w0.3: U2.43@86.587,131.998 86.587,129.948 87.864,128.671 93.492,128.671 94.361,129.54 94.361,134.62 v1(95.25,135.509) ; v1(99.187,138.557) 108.311,138.557 U1.33@112.271,134.597 112.332,134.536 U1.33@112.402,134.536
  Bottom Layer w0.3: v1(95.25,135.509) 94.742,135.509 94.361,135.89 94.361,138.049 94.869,138.557 v1(99.187,138.557)
PC5: U1.34 U2.44 | length 35.6
  Top Layer w0.3: U2.44@87.087,131.998 87.087,130.084 88.05,129.121 93.306,129.121 93.853,129.668 93.853,135.763 94.869,136.779 v1(95.25,136.779) ; v1(98.298,137.541) 108.619,137.541 U1.34@111.917,134.243
  Bottom Layer w0.3: v1(95.25,136.779) 96.012,137.541 v1(98.298,137.541)
PC6: U1.63
PC7: U1.64
PC8: U1.65
PC9: U1.66
PC10: flash1.6 U1.78 | length 60.3
  Top Layer w0.3: U1.78@117.609,118.651 118.532,117.729 122.301,117.729 v1@123.952,116.078
  Bottom Layer w0.3: flash1.6@118.237,159.356 118.237,157.353 121.793,153.797 121.793,151.257 121.031,150.495 118.619,150.495 116.49,148.366 116.49,139.165 126.042,129.613 126.042,118.561 123.952,116.471 v1(123.952,116.332)
PC11: flash1.2 U1.79 | length 47.2
  Top Layer w0.3: U1.79@117.963,119.005 118.789,118.179 123.248,118.179 v1@123.698,117.729
  Bottom Layer w0.3: flash1.2@119.507,152.556 119.507,152.019 116.04,148.552 116.04,138.726 125.487,129.279 125.487,119.403 123.952,117.868 v1(123.952,117.602)
PC12: flash1.5 U1.80 | length 51.2
  Top Layer w0.3: U1.80@118.317,119.359 119.046,118.629 v1@123.698,118.629
  Bottom Layer w0.3: flash1.5@116.967,159.356 116.967,158.623 115.59,157.246 115.59,151.364 115.59,138.54 125.037,129.093 125.037,121.48 123.825,120.268 v1(123.825,118.872)
PC13: U1.7
PD0: U1.81
PD1: U1.82
PD2: U1.83
PD3: U1.84
PD4: U1.85
PD5: U1.86 Urs2.11 | length 51.9
  Top Layer w0.3: U1.86@120.438,121.48 121.522,120.396 ; 121.522,120.396 121.522,120.125 v1(121.285,119.888) 121.285,120.159 121.522,120.396
  Bottom Layer w0.3: Urs2.11@107.061,157.54 107.061,155.194 107.823,154.432 113.538,154.432 114.69,153.28 114.69,138.167 124.004,128.853 124.004,122.607 v1(121.285,119.888)
PD6: U1.87 Urs2.12 | length 51.1
  Top Layer w0.3: U1.87@120.791,121.833 122.963,119.661 v1@122.963,119.722
  Bottom Layer w0.3: Urs2.12@108.331,157.734 108.331,156.083 109.22,155.194 113.538,155.194 115.14,153.592 115.14,138.353 124.587,128.906 124.587,121.666 122.809,119.888 v1(122.809,119.761)
PD7: U1.88
PD8: U1.55 U37.4 | length 43.4
  Top Layer w0.3: v1(103.505,122.682) 104.267,122.682 105.41,123.825 106.484,123.825 U1.55@107.675,125.015
  Bottom Layer w0.3: U37.4@94.869,146.46 94.869,145.034 96.023,143.88 106.944,143.88 109.044,141.78 109.044,134.574 103.632,129.162 v1@103.632,122.682
PD9: U1.56 U37.1 | length 38.5
  Top Layer w0.3: v1(105.791,122.936) 105.794,122.936 106.048,122.682 U1.56@108.028,124.662
  Bottom Layer w0.3: U37.1@98.679,146.46 98.679,145.288 99.187,144.78 107.569,144.78 109.944,142.405 109.944,134.201 105.41,129.667 105.41,122.936 v1(105.791,122.936)
PD10: CPU_LED3.2 U1.57 | length 18.6
  Top Layer w0.3: CPU_LED3.2@92.71,121.031 93.218,121.031 95.885,123.698 101.219,123.698 103.072,121.845 105.918,121.845 U1.57@108.382,124.308
PD11: CPU_LED1.2 U1.58 | length 15.2
  Top Layer w0.3: CPU_LED1.2@96.901,121.158 96.901,122.301 97.848,123.248 101.033,123.248 102.886,121.395 106.175,121.395 U1.58@108.735,123.955
PD12: CPU_LED2.2 U1.59 | length 9.2
  Top Layer w0.3: CPU_LED2.2@101.092,121.158 101.305,120.945 106.432,120.945 U1.59@109.089,123.601
PD13: U1.60
PD14: U1.61
PD15: U1.62
PE0: U1.97
PE1: U1.98
PE2: Rsim4.1 U1.1 | length 26.9
  Top Layer w0.3: U1.1@125.388,128.586 125.833,129.032 127.635,129.032 130.937,132.334 135.255,132.334 136.906,133.985 136.906,142.621 137.795,143.51 v1(141.097,143.51)
PE3: SIM4.42 U1.2 | length 18.2
  Top Layer w0.3: U1.2@125.034,128.94 125.105,128.94 125.705,129.54 127.507,129.54 129.032,131.065 v1(129.032,132.08)
  Bottom Layer w0.3: v1(129.032,132.08) 137.16,132.08 137.287,131.953 v1(140.081,134.747)
PE4: R143.2 U1.3 | length 27
  Top Layer w0.3: U1.3@124.681,129.293 125.562,130.175 127,130.175 127.635,130.81 v1(127.635,132.08)
  Bottom Layer w0.3: v1@127.762,131.699 128.27,131.191 141.224,131.191 R143.2@147.193,137.16
PE5: R145.2 U1.4 | length 34.7
  Top Layer w0.3: U1.4@124.327,129.647 125.998,131.318 v1(126.619,131.318)
  Bottom Layer w0.3: v1(126.619,131.318) 126.862,131.318 127.439,130.741 141.41,130.741 146.432,135.763 151.376,135.763 151.799,136.186 151.799,138.464 152.654,139.319 R145.2@153.162,139.319
PE6: U1.5
PE7: U1.38
PE8: U1.39
PE9: U1.40
PE10: U1.41
PE11: U1.42
PE12: U1.43
PE13: U1.44
PE14: U1.45
PE15: U1.46
RD+: CN1.3 R29.2 U2.14 | length 35.8
  Top Layer w0.3: v1(73.859,147.062) 86.237,147.062 88.587,144.712 U2.14@88.587,140.848
  Bottom Layer w0.3: v1(73.859,147.062) 80.26,147.062 83.058,149.86 CN1.3@83.058,155.702
RD-: CN1.6 R28.2 U2.13 | length 29
  Top Layer w0.3: v1(73.859,149.094) 84.967,149.094 89.087,144.974 U2.13@89.087,140.848
  Bottom Layer w0.3: v1(73.859,149.094) 76.704,149.094 79.248,151.638 CN1.6@79.248,153.162
SIMCLK: CSIM11.2 RSIM11.1 SIM4.16 | length 9.1
  Top Layer w0.3: v1(143.764,114.046) 143.883,114.165 SIM4.16@143.883,116.548 ; RSIM11.1@147.189,112.064 v1(147.211,112.086) CSIM11.2@149.229,112.086
  Bottom Layer w0.3: v1@143.764,113.792 143.764,113.157 144.835,112.086 v1(147.211,112.086)
SIMDATA: CSIM13.2 RSIM13.1 SIM4.15 | length 7.2
  Top Layer w0.4: RSIM13.1@139.061,112.064 141.079,112.064 CSIM13.2@141.101,112.086 141.101,113.669 142.783,115.351 SIM4.15@142.783,116.548
SIMRST: CSIM10.2 RSIM10.1 SIM4.17 | length 6.6
  Top Layer w0.5: CSIM10.2@143.133,112.086 145.135,112.086 RSIM10.1@145.157,112.064 144.983,112.238 SIM4.17@144.983,116.548
SIMVCC: CSIM12.1 ESD10.1 SIM4.18 simcard1.C1 | length 33.6
  Top Layer w0.3: SIM4.18@146.083,116.492 146.083,114.013 146.431,113.665 v1(147.955,113.665)
  Bottom Layer w0.3: ESD10.1@137.845,94.136 136.017,95.963 v1(136.017,104.267) 136.017,106.299 137.287,107.569 139.7,107.569 143.002,110.871 147.193,110.871 148.011,111.689 v1@148.011,113.665
SRXD: Rsim2.2 Rsim3.2 SIM4.2 | length 5.7
  Top Layer w0.4: Rsim3.2@133.862,127.326 133.862,129.223 Rsim2.2@133.803,129.282 134.616,129.282 135.634,130.3 SIM4.2@137.132,130.3
STXD: Rsim1.1 SIM4.1 | length 3.4
  Top Layer w0.5: Rsim1.1@133.781,131.322 137.054,131.322 SIM4.1@137.132,131.4
TD+: CN1.1 R31.2 U2.17 | length 37.5
  Top Layer w0.3: v1(73.859,142.998) 74.418,142.998 76,144.58 86.179,144.58 87.087,143.672 U2.17@87.087,140.848
  Bottom Layer w0.3: v1(73.859,142.998) 74.244,143.383 79.12,143.383 85.598,149.861 CN1.1@85.598,155.702
TD-: CN1.2 R30.2 U2.16 | length 33.1
  Top Layer w0.3: v1(73.859,145.03) 86.618,145.03 87.587,144.061 U2.16@87.587,140.848
  Bottom Layer w0.3: v1(73.859,145.03) 79.498,145.03 84.328,149.86 CN1.2@84.328,153.162
TDO: cnPRG.7 RPRG4.2 U1.89 | length 23.3
  Top Layer w0.3: cnPRG.7@121.158,107.696 121.92,107.696 125.349,111.125 125.349,118.69 U1.89@121.499,122.541
  Bottom Layer w0.3: cnPRG.7@121.031,107.442 RPRG4.2@125.73,107.442
VBAT: batcon.1 U1.6 | length 46.9
  Top Layer w0.3: batcon.1@123.038,156.439 123.977,156.439 124.206,156.21 124.206,147.066 125.857,145.415 131.806,145.415 131.849,145.372 132.884,145.372 136.456,141.8 136.456,134.171 135.165,132.88 126.912,132.88 126.043,132.011 125.277,132.011 U1.6@123.62,130.354
VCAP1: C11.2 U1.49 | length 4.5
  Top Layer w0.3: C11.2@102.942,130.933 104.621,130.933 U1.49@106.614,128.94
VCAP2: C8.2 U1.73 | length 5
  Top Layer w0.3: C8.2@113.847,114.304 113.215,114.936 113.215,117.828 U1.73@114.039,118.651
VDD_EXT: SIM4.40
VIN: Coni.2 F1.2 | length 4.4
  Top Layer w2: Coni.2@83.426,81.775 F1.2@87.779,81.775
VRTC: CRTC1.2 SIM4.28 | length 2.8
  Top Layer w0.3: SIM4.28@152.832,125.9 155.11,125.9 v1@155.448,126.238
  other v1: 155.321,126.111
pads on no net: CAN1.5 CN1.0 CN1.7 cnPRG.6 cnPRG.9 ESD10.6 K1.2 K2.2 MR4.S SIM4.3 SIM4.4 SIM4.5 SIM4.6 SIM4.7 SIM4.9 SIM4.10 SIM4.11 SIM4.12 SIM4.14 SIM4.20 SIM4.22 SIM4.23 SIM4.24 SIM4.25 SIM4.26 SIM4.29 SIM4.38 simcard1. simcard1.C6 SRESET.1 SRESET.4 U2.1 U2.5 U2.6 U2.8 U2.9 U2.10 U2.11 U2.12 U2.25 U2.33 U2.38 U2.41 U2.42 U2.45 U2.46 Urs2.7 Urs2.8 Urs2.9 Urs2.10

## Polygon pours and split planes (outlines as drawn)
GND on Top Layer "Top Solder-No Net" (solid, remove dead copper, pour order 0): 117.094,120.523 122.936,126.365 122.936,126.619 122.936,128.143 122.428,128.651 116.586,134.493 116.332,134.493 115.189,134.493 114.808,134.112 108.458,127.762 108.458,126.492 108.712,126.238 114.554,120.396 115.12,120.396
GND on Top Layer "Top Solder-No Net" (solid, remove dead copper, pour order 4): 158.405,79.248 65.659,79.248 65.405,79.502 65.405,171.958 157.861,171.958 158.369,172.466
GND on Bottom Layer "Top Solder-No Net" (solid, remove dead copper, pour order 2): 158.405,79.248 65.405,79.248 65.405,172.121 65.532,172.248 158.405,172.248
no net on Internal Plane 1 (split plane): 157.895,79.758 65.915,79.758 65.915,171.738 157.895,171.738
no net on Internal Plane 2 (split plane): 157.895,79.758 65.915,79.758 65.915,171.738 157.895,171.738

## Keep-outs
Keep-Out Layer:
  the board outline again, w0.3

## Other copper
Top Layer:
  rectangle net GND: 85.09,134.62 87.249,137.287
  rectangle net GND: 86.741,134.62 89.535,139.7
  rectangle net Net1N4007_1: 89.662,80.645 95.123,84.963
  pour cut-out: 158.369,172.466 158.369,145.034 124.841,145.034 124.678,145.197 124.678,172.085
  pour cut-out: 97.028,79.248 97.028,92.71 96.774,92.964 96.012,92.202 65.532,92.202 65.532,79.248
Bottom Layer:
  rectangle net GND: 82.931,132.842 89.535,135.382
  rectangle net GND: 86.741,133.35 89.535,139.827
  region net GND: 115.761,121.222 121.793,127.254 115.634,133.414 109.601,127.381
  pour cut-out: 124.714,172.466 124.714,145.034 158.242,145.034 158.405,145.197 158.405,172.085
  pour cut-out: 65.532,79.248 65.532,92.71 65.786,92.964 66.548,92.202 97.028,92.202 97.028,79.248

## Silkscreen, mask and mechanical layers (free items; w line width, h text height)
Top Overlay:
  text "Alireza.Roozitalab@gmail.com" at 69.596,120.65 h3 r90
Bottom Overlay:

## Dimensions
65.405,79.248 to 65.405,172.248 on Mechanical 1
158.405,79.248 to 65.405,79.248 on Mechanical 1

## Text inside footprints (layer, text, board x,y; h text height)
C27: Bottom Overlay "+" at 85.997,140.934 h0.76 r270
C303: Top Overlay "+" at 117.983,87.63 h0.3 r270
CP2: Bottom Overlay "+" at 107.362,123.649 h0.76 r225
Cp4: Bottom Overlay "+" at 103.505,92.075 h0.3 r270
CVS2: Bottom Overlay "+" at 150.926,130.534 h0.76
K1: Top Overlay "NC" at 127.635,157.531 h1.5; Top Overlay "NO" at 136.474,157.353 h1.5; Top Overlay "COM" at 131.242,148.615 h1.5
K2: Top Overlay "NC" at 143.764,157.277 h1.5; Top Overlay "NO" at 152.603,157.099 h1.5; Top Overlay "COM" at 147.371,148.361 h1.5
simcard1: Top Overlay "CCVCC" at 135.128,98.298 h0.81 r90; Top Overlay "CCRST" at 137.668,98.298 h0.81 r90; Top Overlay "CCCLK" at 140.208,98.298 h0.81 r90; Top Overlay "CCIN" at 147.193,98.933 h0.81 r90; Top Overlay "CCOUT" at 147.193,83.058 h0.81 r90; Top Overlay "CCIO" at 140.208,83.058 h0.81 r90; Top Overlay "not connected" at 137.668,83.058 h0.81 r90; Top Overlay "GND" at 135.128,83.058 h0.81 r90